# KiCad board klofi.kicad_pcb (continued)
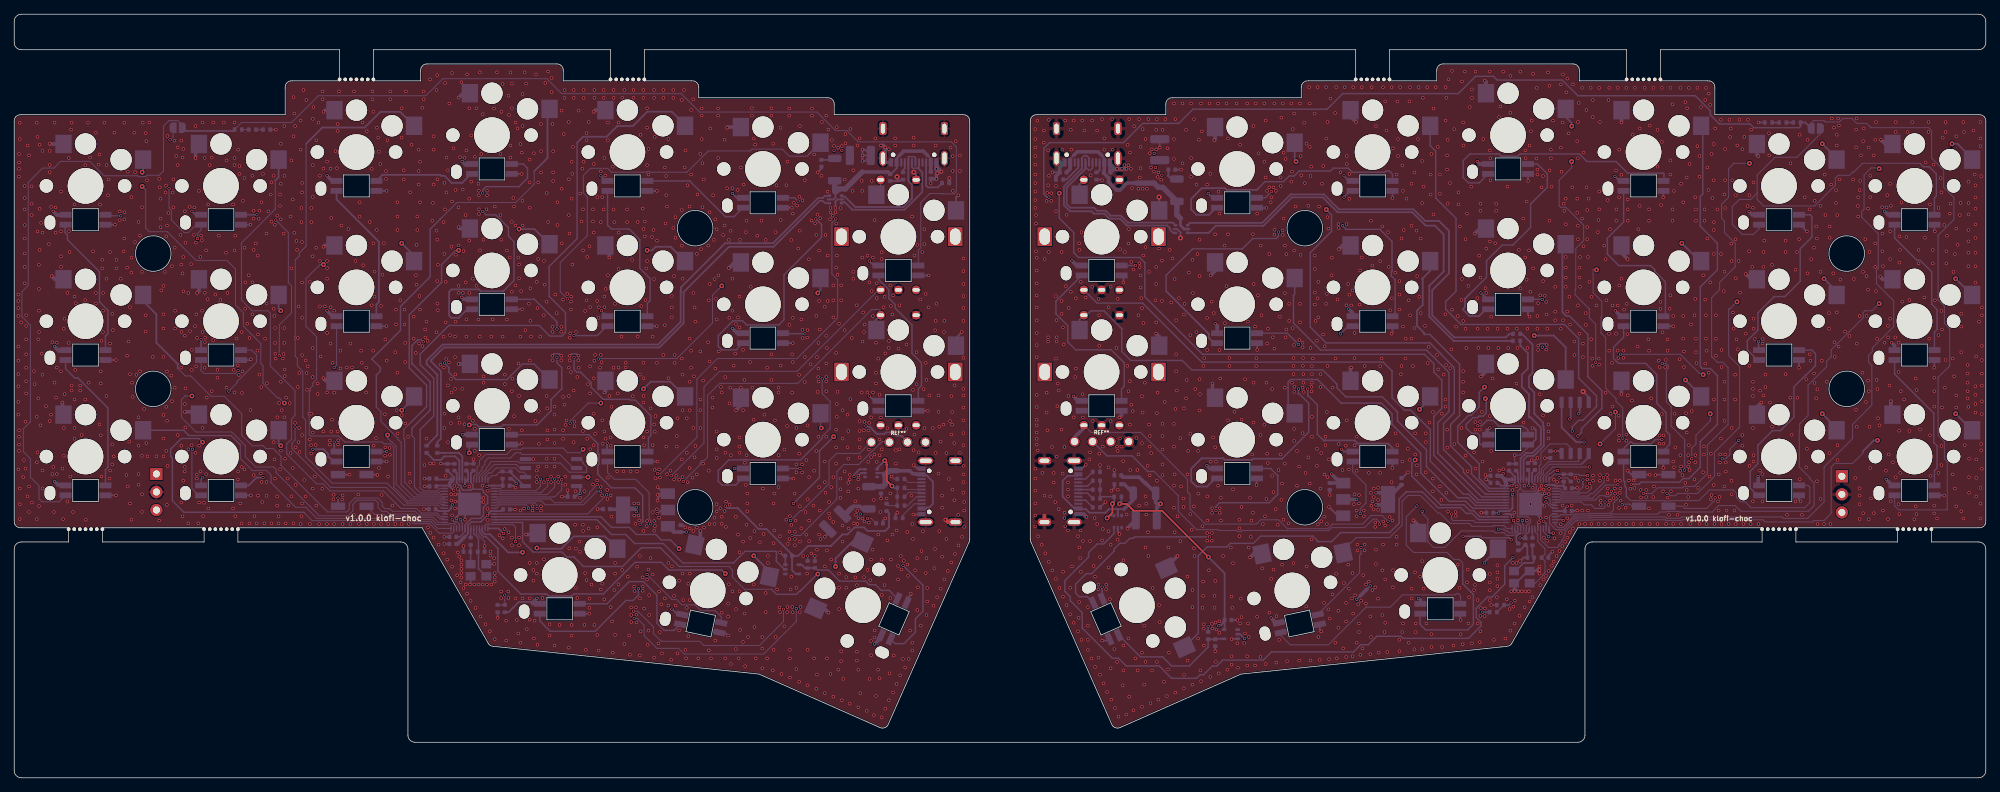
[diagram p0: board, top side]
## Routing (per net, layer and track width the routed paths; a pad name or vN(x,y) marks a point on that pad's centre or on a via; arc(x,y) is an arc through that point) (continued)
  In1.Cu w0.254: v1(242.49,47.5) 245.99,47.5 246.99,48.5 248.74,48.5 251.49,51.25 v2(254.24,51.25)
  Back w0.152: v1(242.49,47.5) 241.24,46.25 241.24,45.48 240.68,44.92 v1(240.18,44.92) ; rU5.29 205.45,35.94 205.18,36.22 202.28,36.22 202.11,36.39 202.11,37.1 v1(202.13,37.12) ; v2(237.49,56.75) 237.32,56.92 236.98,56.92 234.28,59.62 v1(225.88,59.62) ; v1(235.88,44.92) 235.88,46.42 236.48,47.02 236.48,48.24 238.49,50.25 v2(238.49,51.25)
  Back w0.254: v2(254.24,51.25) 256.25,49.24 rSW14.1
/right/KEY17: length 75.1
  In1.Cu w0.152: v1(215.76,33.94) 215.8,33.9 215.8,33.79 216.38,33.22 217.08,33.22 218.08,34.22 218.08,34.62 218.68,35.22 218.68,35.42 219.58,36.32 231.38,36.32 231.98,36.92 231.98,39.64 v1(232.4,40.06)
  In1.Cu w0.254: v2(254.49,70.25) 251.99,70.25 249.49,67.75 242.99,67.75 v2(242.24,67)
  Back w0.152: rU5.17 215.02,34.66 215.67,34.02 215.68,34.02 v1(215.76,33.94) ; v2(242.24,67) 241.24,66 241.07,66 241.07,59.42 242.61,57.87 242.61,49.37 239.07,45.83 239.07,42.42 236.68,40.02 233.88,40.02 233.58,39.72 232.88,39.72 232.54,40.06 v1(232.4,40.06)
  Back w0.254: rSW8.1 256.25,68.49 v2(254.49,70.25)
/right/KEY18: length 90.5
  In1.Cu w0.152: v2(243.99,86.5) 248.99,86.5 251.74,89.25 v2(254.24,89.25) ; v1(229.08,40.02) 227.18,40.02 226.69,39.53 v1(225.51,39.53)
  Back w0.152: v1(225.51,39.53) 225.39,39.41 225.39,39.18 224.88,38.67 224.88,37.72 224.38,37.22 221.55,37.22 221.47,37.14 219.5,37.14 219.38,37.02 217.43,37.02 217.24,36.84 216.75,36.84 rU5.12 ; v2(243.99,86.5) 241.82,86.5 241.07,85.75 241.07,81.72 240.08,80.73 240.08,78.75 240.49,78.34 240.49,76.75 241.99,75.25 241.99,71.94 239.8,69.75 239.8,68.73 238.68,67.6 238.68,59.25 238.74,59.25 239.49,58.5 240.24,58.5 240.99,57.75 240.99,49.75 238.08,46.84 238.08,42.82 236.28,41.02 234.78,41.02 234.58,40.82 231.08,40.82 230.28,40.02 v1(229.08,40.02)
  Back w0.254: v2(254.24,89.25) 256.25,87.24 rSW2.1
/right/KEY19: length 113.7
  In1.Cu w0.152: v2(272.49,89.25) 270.99,89.25 268.79,87.05 265.04,87.05 264.74,86.75 263.24,86.75 v2(262.24,85.75)
  Back w0.152: v2(262.24,85.75) 262.12,85.86 261.1,85.86 260.12,84.88 260.12,80.05 259.78,79.71 259.78,78.91 262.1,76.58 262.1,71.74 261.85,71.49 261.85,69.56 264.28,67.14 264.28,63.52 261.28,60.52 261.28,60.02 260.75,59.49 260.75,58.49 261.2,58.03 261.2,52.47 258.49,49.75 258.49,47.75 254.49,43.75 254.49,38.83 252.18,36.52 248.78,36.52 248.58,36.72 234.48,36.72 234.27,36.52 232.38,36.52 232.18,36.72 224.67,36.72 224.61,36.66 221.78,36.66 221.7,36.58 219.73,36.58 219.61,36.46 219.31,36.46 219.13,36.28 219.13,36.2 218.76,35.83 218.76,35.8 217.89,34.94 217.79,34.94 217.78,34.92 217.66,34.92 217.66,34.92 217.26,34.92 216.8,34.92 215.88,35.85 215.88,36.76 216.26,37.14 rU5.11
  Back w0.254: rSW1.1 275.3,87.19 273.24,89.25 v2(272.49,89.25)
/right/KEY20: length 89.1
  In1.Cu w0.152: v2(262.24,66.75) 263.49,68 267.49,68 267.74,68.25 269.24,68.25 270.74,69.75 270.74,70 270.99,70.25 v2(272.99,70.25)
  Back w0.152: v2(262.24,66.75) 261.24,65.75 260.24,65.75 259.99,65.5 259.99,64.75 255.49,60.25 255.49,59.25 255.46,59.25 254.85,58.64 254.85,57.89 252.24,55.28 252.24,51 251.06,49.82 251.06,48.82 250.99,48.76 250.99,43.74 252.46,42.28 252.46,42.11 253.08,41.49 253.08,38.32 252.28,37.52 242.78,37.52 241.98,38.32 239.68,38.32 238.78,37.42 234.18,37.42 234.1,37.5 232.35,37.5 232.28,37.42 231.38,37.42 231.08,37.12 224.67,37.12 224.49,36.94 221.67,36.94 221.59,36.86 219.61,36.86 219.49,36.74 219.19,36.74 218.85,36.4 218.85,36.32 218.48,35.94 218.48,35.92 217.78,35.22 217.08,35.22 216.66,35.64 rU5.14
  Back w0.254: rSW7.1 275.26,67.97 v2(272.99,70.25)
/right/KEY21: length 76.5
  In1.Cu w0.254: v2(261.99,47.5) 262.99,47.5 263.74,48.25 268.24,48.25 271.24,51.25 v2(272.99,51.25)
  Back w0.152: 259.98,46 259.98,45.74 258.49,44.25 255.99,44.25 255.49,43.75 255.49,37.22 254.49,36.22 253.08,36.22 252.88,36.02 246.18,36.02 245.88,36.32 234.58,36.32 234.48,36.22 234.18,36.22 234.17,36.22 233.48,36.22 233.47,36.22 233.08,36.22 233.07,36.22 232.48,36.22 232.47,36.22 232.27,36.22 232.18,36.32 221.98,36.32 221.93,36.28 219.82,36.28 219.72,36.18 219.53,36.18 218.08,34.72 218.08,34.22 217.88,34.02 217.88,33.69 217.6,33.42 217.6,33.22 217.2,32.82 217.2,32.64 216.98,32.42 215.73,32.42 214.62,33.53 rU5.18
  Back w0.254: v2(272.99,51.25) 275.3,48.94 rSW13.1 ; 259.98,46 261.48,47.5 v2(261.99,47.5)
/right/KEYEX1: length 102.6
  In1.Cu w0.254: rEXSW1.S2 148.83,84.18 v2(146.94,82.29)
  Back w0.203: 149.53,81.47 149.36,81.64 ; rU5.37 205.85,39.14 199.61,45.38 199.61,50.88 200.74,52 200.74,56 199.61,57.12 199.61,58.28 198.28,59.62 167.08,59.62 158.98,67.72 158.98,72.52 158.24,73.25 149.66,73.25 148.99,73.92 148.99,76.75 146.94,78.8 146.94,82.2 146.99,82.25 146.95,82.29 v2(146.94,82.29)
  Back w0.254: rEXSW1.S2 149.8,83.58 rEXSW1.S2
/right/KEYEX2: length 77.8
  Back w0.203: 150.4,64.73 151.39,65.72 153.24,65.72 155.71,63.25 155.74,63.25 155.74,60 156.99,58.75 164.24,58.75 165.57,57.42 183.99,57.42 185.99,55.42 185.99,54.89 187.25,53.62 192.36,53.62 194.49,51.5 194.49,50.25 198.58,46.16 198.58,43.82 202.98,39.42 204.4,39.42 205.48,38.34 rU5.35
  Back w0.254: rEXSW2.S2 149.8,64.53 rEXSW2.S2
/right/LED: length 63.2
  In1.Cu w0.203: v1(217.82,36.22) 216.57,36.22 215.64,37.16 214.31,37.16 213.68,36.52 213.68,35.72 213.28,35.32 210.08,35.32 208.18,33.42 208.18,31.32 207.99,31.13 207.99,25.25 208.38,24.86 208.38,23.37 206.13,21.12 188.88,21.12 186.18,18.42 184.48,18.42 184.28,18.22 182.28,18.22 181.98,17.92 180.48,17.92 180.38,17.82 174.88,17.82 173.09,19.6 v1(173.01,19.6)
  Back w0.152: v1(217.82,36.22) 217.67,36.22 217.55,36.34 rU5.13
  Back w0.254: v1(173.01,19.6) 172.39,20.22 rU6.2
/right/QSPI_SCLK: length 8.6
  Back w0.152: rU5.52 214.22,42.42 214.73,42.93 214.73,43.5 215.74,44.5 219.99,44.5 219.99,45.51 rU3.6
/right/QSPI_SD0: length 9.1
  Back w0.152: 220.49,44.25 220.38,44.14 215.9,44.14 215.01,43.26 215.01,42.81 214.62,42.42 rU5.53
  Back w0.254: 220.49,44.25 221.39,45.15 rU3.5
/right/QSPI_SD1: length 12.7
  In1.Cu w0.254: v1(216.99,43.25) 217.74,44 217.74,49.5 v1(218.74,50.5)
  Back w0.152: rU5.55 215.42,42.38 215.87,42.82 216.06,42.82 216.49,43.25 v1(216.99,43.25)
  Back w0.254: rU3.2 218.85,50.61 v1(218.74,50.5)
/right/QSPI_SD2: length 17.2
  In1.Cu w0.152: v1(221.49,43.75) 221.49,49.75 v1(219.99,51.25)
  Back w0.152: rU5.54 215.02,42.43 216.34,43.75 v1(221.49,43.75)
  Back w0.254: v1(219.99,51.25) 220.12,51.38 rU3.3
/right/QSPI_SD3: length 9.8
  Back w0.152: rU3.7 218.85,46.45 218.3,47 215.96,47 214.68,45.72 214.68,44.12 214.45,43.9 214.45,43.05 213.82,42.41 rU5.51
/right/QSPI_SS: length 18.3
  In1.Cu w0.152: v1(221.24,42.56) 220.68,43.13 220.68,47.19 v1(220.74,47.25)
  Back w0.152: rR3.1 216.57,42.73 rU5.56 ; v1(221.24,42.56) 220.15,42.56 219.99,42.73 rR4.1
  Back w0.203: rR4.1 rR3.1
  Back w0.254: rU3.1 217.58,49.33 219.66,47.25 v1(220.74,47.25)
/right/RE0A: length 76.6
  Back w0.203: rEXSW1.A 152.26,66.82 158.68,66.82 166.98,58.52 192.49,58.52 193.74,57.27 193.74,53.5 195.49,51.75 196.37,51.75 199.12,49 199.12,44.57 203.78,39.92 204.5,39.92 205.68,38.74 rU5.36
/right/RE1A: length 84.4
  In1.Cu w0.152: v1(193.18,36.12) 196.79,32.5 201.24,32.5 203.76,35.02 203.76,35.52 206.75,38.52 210.47,38.52 211.41,39.45 v1(215.39,39.45)
  Back w0.152: v1(193.18,36.12) 192.38,36.92 190.78,36.92 189.58,35.72 185.38,35.72 184.73,35.07 179.03,35.07 177.78,36.32 175.28,36.32 174.68,35.72 167.48,35.72 165.33,37.87 165.33,39.91 164.99,40.25 164.99,42.01 158.38,48.62 151.41,48.62 rEXSW2.A ; v1(215.39,39.45) 215.39,39.42 215.4,39.42 215.68,39.42 215.98,39.13 215.98,38.62 216.16,38.44 216.66,38.44 rU5.8
  Back w0.508: rEXSW2.A 150.4,49.24 149.09,47.93 rJ2.1
/right/REB: length 103.9
  In1.Cu w0.152: v1(191.98,35.72) 192.08,35.62 192.08,34.62 193.95,32.75 193.95,32.64 194.2,32.39 194.3,32.39 194.68,32.02 198.97,32.02 199.24,31.75 200.95,31.75 201.06,31.64 202.38,31.64 205.26,34.52 207.38,34.52 211.88,39.02 215.18,39.02 v1(215.37,38.83)
  In1.Cu w0.203: rEXSW1.B 156.99,67.09 156.99,63.23 155.87,62.11 155.87,58.63 156.08,58.42 156.08,50.3 rEXSW2.B 154.85,49.63 152.55,47.33 rJ2.2
  Back w0.152: rU5.9 216.45,37.94 216.36,38.04 216.16,38.04 216.02,38.18 216.02,38.19 215.78,38.42 215.78,38.42 v1(215.37,38.83) ; v1(191.98,35.72) 191.98,36.02 191.57,36.42 191.08,36.42 189.88,35.22 185.27,35.22 184.84,34.79 178.91,34.79 178.88,34.82 172.65,34.82 172.47,34.64 172.08,34.64 171.9,34.82 169.38,34.82 169.26,34.94 166.26,34.94 163.68,37.52 163.68,39.72 160.28,43.12
  Back w0.203: 160.28,43.12 159.37,43.12 157.18,45.32 153.65,45.32 rJ2.2
/right/rLED_LVL_UP: length 18.9
  Back w0.203: rR19.1 167.88,18.39 165.24,15.75 162.74,15.75 161.49,17 161.49,17.02 158.36,17.02 rLED21.4
  Back w0.254: rR19.1 167.89,19.5 rC25.1 168.95,19.57 rU6.4
/right/rVBUS_ESD: length 27.8
  Back w0.254: J5.B4 153.28,87.2 153.06,87.41 153.06,87.46 152.94,87.59 ; J5.A4 148.48,87.12 148.98,87.62
  Back w0.4: rU2.5 164.49,77.25 163.99,77.75 163.99,78.75
  Back w0.508: 152.94,87.59 152.4,88.12 149.48,88.12 148.98,87.62 ; 157.77,83.72 156.46,83.72 155.49,82.75 154.99,82.75 153.87,83.87 153.87,84.45 153.2,85.13 rC7.1 153.28,85.3 J5.B4 ; rC6.1 148.48,85.73 J5.A4
  Back w0.762: 157.77,83.72 160.28,83.72 160.88,83.12 161.51,83.12 rFB1.1 163.49,79.25 163.99,78.75
/right/SWCLK: length 63.4
  In1.Cu w0.152: v1(212.08,36.21) 212.08,36.52 213.02,37.46 217.33,37.46 217.68,37.12 219.38,37.12 219.48,37.02 230.58,37.02 230.98,37.42 230.98,40.52 231.38,40.92 234.08,40.92 234.48,40.52 234.48,37.32 234.78,37.02 242.88,37.02 243.38,37.52 251.78,37.52 253.02,36.28 ; 253.02,36.28 255.96,36.28 256.49,35.75 257.99,35.75 258.49,36.25 258.49,40.94 rJ1.1 ; 253.02,36.28 253.08,36.22
  Back w0.152: v1(212.08,36.21) 212.08,36.01 212.08,35.72 212.22,35.57 rU5.24
/right/SWD: length 56.5
  In1.Cu w0.152: rJ1.3 254.85,37.36 253.79,38.42 236.48,38.42 236.18,38.72 236.18,41.42 235.58,42.02 235.18,42.02 235.08,42.12 230.98,42.12 229.98,41.12 229.98,38.92 229.18,38.12 228.78,38.12 228.18,37.52 222.18,37.52 221.08,38.62 220.03,38.62 218.83,37.42 217.9,37.42 217.58,37.74 213.7,37.74 213.62,37.82 212.36,37.82 211.16,36.62 211.15,36.62 210.87,36.34 210.83,36.34 v1(210.83,36.21)
  Back w0.152: rU5.25 211.82,35.47 211.72,35.57 211.72,35.6 211.58,35.74 211.15,35.74 210.98,35.92 210.98,36.06 v1(210.83,36.21)
/right/TX: length 101.8
  Front w0.203: v1(216.42,34.44) 216.42,34.33 216.43,34.32
  In1.Cu w0.203: v1(216.42,34.44) 216.42,34.44 214.3,34.44 213.68,33.82 213.56,33.82 v1(210.74,31) 210.68,31.06
  Back w0.203: rU4.3 154.64,34.45 154.68,34.41 153.18,32.92 152.27,32.92 151.07,31.71 151.07,31.08 147.74,27.75 147.74,26.25 148.49,25.5 148.49,24.94 150.18,23.25 150.18,21.07 154.42,16.82 155.28,16.82 156.35,15.75 160.99,15.75 162.74,14 166.24,14 166.74,14.5 167.24,14.5 168.46,15.72 169.09,15.72 169.94,16.57 175.64,16.57 176.78,17.72 188.32,17.72 189.33,18.72 190.39,18.72 191.59,19.92 194.98,19.92 195.28,19.63 204.49,19.63 206.24,21.38 206.24,21.9 205.59,22.55 205.59,23.89 207.16,25.45 207.79,25.45 209.58,27.25 209.58,29.85 v1(210.74,31) ; v1(216.42,34.44) 216.37,34.4 216.01,34.4 215.82,34.59 rU5.15
/right/USB_VBUS_PIN: length 20
  In1.Cu w0.203: v1(210.48,24.62) 210.48,25.26 208.99,26.75 208.99,26.77 209,26.79 209,27.16 208.99,27.18 208.99,27.82 209,27.83 209,28.21 208.99,28.22 208.99,28.72 209,28.73 209,29.11 208.99,29.12 208.99,29.72 209,29.73 209,30.11 208.99,30.12 208.99,32.73 211.08,34.82 213.94,34.82 215.08,35.95 v1(215.08,36.12)
  Back w0.203: rU5.16 215.42,35.77 v1(215.08,36.12) ; v1(210.48,24.62) 210.18,24.32 rR2.1 rR1.2
Net-(C23-Pad1): length 2.7
  Back w0.203: Y1.3 R15.1
Net-(EXLED1-DIN): length 220.2
  Back w0.152: 21.99,92.52 22.99,92.52 23.64,91.87 JP1.2 ; 21.99,92.52 21.76,92.52 20.99,91.75 20.99,85.43 20.38,84.82 18.68,84.82 18.49,84.64 17.46,84.64 17.34,84.75 12.64,84.75 10.63,86.77 6.51,86.77 5.57,85.83 3.99,85.83 1.98,83.82 1.98,69.32 1.08,68.42 1.08,64.92 2.28,63.72 2.28,50.12 1.28,49.12 1.28,45.92 2.28,44.92 2.28,42.32 3.49,41.11 3.49,39.25 3.89,38.85 6.32,38.85 LED13.2 ; 21.99,92.52 21.79,92.52 22.28,92.52 ; R16.1 31.98,92.25 39.01,92.25 42.78,96.02 57.88,96.02 60.28,98.42 74.88,98.42 76.98,96.32 93.78,96.32 96.38,93.72 112.88,93.72 115.48,91.12 117.08,91.12 118.68,89.52 131.78,89.52 132.48,88.82 132.48,82.5 132.16,82.19 130.55,82.19 130.49,82.25 128.74,82.25 127.48,80.99 127.48,74.62 127.13,74.27 EXLED1.4
  Back w0.254: JP1.2 24.1,91.06 30.78,91.06 R16.1
Net-(EXLED1-DOUT): length 20.3
  Back w0.203: EXLED1.2 121.53,70.17 122.98,68.72 122.98,67.52 123.88,66.62 123.88,66.11 126.24,63.75 126.24,59.76 127.58,58.42 127.58,55.22 127.13,54.77 EXLED2.4
Net-(J3-CC1): length 1.5
  Back w0.254: J3.A5 125.23,85.78 124.99,85.54 R5.2
Net-(J3-CC2): length 5.9
  Back w0.254: J3.B5 128.23,83.37 128.48,83.12 129.87,83.12 R6.2
Net-(J4-CC1): length 2.6
  Back w0.127: J4.A5 125.69,41.57 R7.2
Net-(J4-CC2): length 3.7
  Back w0.152: J4.B5 126.58,38.57 126.12,38.1 126.1,38.1 124.94,36.94 R9.2
Net-(J4-D+-PadA6): length 2.2
  Back w0.127: R11.2 125.44,40.57 127.31,40.57
Net-(J4-D+-PadB6): length 2.9
  Back w0.152: R12.2 125.61,38.32 126.86,39.57 J4.B6
Net-(J4-D--PadA7): length 2.7
  Back w0.127: J4.A7 127.47,40.18 125.8,40.18 R10.1
Net-(J5-CC1): length 3.6
  Back w0.254: rR5.2 147.96,84.22 149.63,85.89 J5.A5
Net-(J5-CC2): length 1.7
  Back w0.254: rR6.2 152.3,85.23 152.63,85.56 J5.B5
Net-(J6-CC1): length 2.5
  Back w0.203: rR7.2 150.67,39.07 J6.A5
Net-(J6-CC2): length 2.5
  Back w0.203: J6.B5 150.67,42.07 rR8.2
Net-(J6-D+-PadA6): length 2.4
  Back w0.203: J6.A6 150.92,40.07 rR11.2
Net-(J6-D+-PadB6): length 2.4
  Back w0.203: rR12.2 150.92,41.07 J6.B6
Net-(J6-D--PadA7): length 2.1
  Back w0.203: rR10.1 J6.A7
Net-(JP1-A): length 35.3
  In1.Cu w0.152: v1(21.78,82.92) 21.78,88.58 21.91,88.72 v1(21.91,89.82) ; v1(25.78,75.92) 25.7,75.84 23.08,75.84 22.05,76.87 18.22,76.87 15.98,79.12 v1(14.98,79.12)
  Back w0.152: JP1.1 22.34,90.24 v1(21.91,89.82) ; LED1.4 12.97,79.12 v1(14.98,79.12) ; v1(25.78,75.92) 25.78,76.62 26.28,77.12 LED2.2 25.6,77.86 24.49,76.75 23.87,76.75 22.1,78.52 22.1,79.87 21.78,80.19 v1(21.78,82.92)
Net-(LED1-DOUT): length 20.3
  Back w0.203: LED7.4 12.83,62.17 13.18,62.52 13.18,65.82 11.99,67.01 11.99,71.25 7.49,75.75 7.49,76.41 7.14,76.75 7.14,77.78 LED1.2
Net-(LED2-DIN): length 40
  In1.Cu w0.152: v1(31.48,57.32) 32.38,58.22 36.68,58.22 37.28,58.82 v1(37.28,59.42)
  In1.Cu w0.203: v1(36.78,78.52) 36.03,79.26 v1(34.12,79.26)
  Back w0.152: v1(31.48,57.32) 31.08,56.92 26.68,56.92 26.28,57.32 LED8.2 ; v1(37.28,59.42) 37.28,63.75 38.99,65.46 38.99,69.27 38.55,69.71 38.55,76.75 37.15,78.15
  Back w0.203: v1(36.78,78.52) 37.15,78.15 ; v1(34.12,79.26) LED2.4
Net-(LED3-DIN): length 14.8
  Back w0.254: LED3.4 51.78,84.88 59.86,84.88 59.99,84.75 60.49,84.75 61.49,83.75 62.99,83.75 64.24,85 LED4.2
Net-(LED3-DOUT): length 20.3
  Back w0.254: LED3.2 45.33,81.41 51.28,75.46 51.28,66.97 50.93,66.62 LED9.4
Net-(LED5-DIN): length 16
  Back w0.203: LED6.2 101.23,79 99.99,79 99.99,79 94.97,84.02 LED5.4
Net-(LED10-DIN): length 39
  In1.Cu w0.203: v1(76.31,59.18) v1(76.31,63.18) ; v2(63.99,49.68) v2(63.99,45.75)
  Back w0.203: LED10.4 73.14,67.35 76.31,64.18 v1(76.31,63.18) ; v1(76.31,59.18) 76.31,58.42 76.99,57.75 76.99,54.75 75.49,53.25 75.49,51.65 73.51,49.68 68.76,49.68 68.49,49.4 65.34,49.4 64.99,49.75 64.06,49.75 v2(63.99,49.68) 63.99,49.75 ; LED16.2 63.99,46.52 v2(63.99,45.75)
Net-(LED10-DOUT): length 43.4
  In1.Cu w0.203: v1(65.88,79.72) v1(65.88,82.32)
  Back w0.203: LED4.4 71.59,86.4 72.18,85.82 72.18,84.42 70.98,83.22 66.34,83.22 65.88,82.75 v1(65.88,82.32) ; 68.9,68.65 70.28,70.02 70.28,75.46 69.49,76.25 69.49,77.46 67.7,79.25 66.34,79.25 v1(65.88,79.72)
  Back w0.254: 68.9,68.65 68.73,68.48 65.64,68.48 65.36,68.75 61.49,68.75 61.15,68.41 61.15,65.09 61.49,64.75 62.49,64.75 63.69,65.95 LED10.2
Net-(LED11-DIN): length 21.8
  Back w0.203: LED11.4 89.03,66.79 89.41,67.18 89.41,70.28 87.96,71.73 87.96,75.73 87.99,75.75 86.49,77.25 83.99,77.25 83.49,77.75 83.43,77.75 LED5.2
Net-(LED11-DOUT): length 29.2
  In1.Cu w0.203: v1(78.71,62.25) v1(78.71,59.18)
  Back w0.203: LED17.4 89.18,46.07 89.18,47.84 89.51,48.18 89.51,50.98 87.31,53.18 86.61,53.18 86.51,53.28 82.82,53.28 81.13,54.97 81.13,55.61 79.62,57.12 79.07,57.12 78.71,57.48 v1(78.71,59.18) ; v1(78.71,62.25) 81.99,62.25 83.31,63.57 LED11.2
Net-(LED12-DIN): length 43
  In1.Cu w0.152: v1(113.61,56.16) 113.61,61.78 112.88,62.52 v1(111.18,62.52)
  Back w0.152: v1(113.61,56.16) 113.61,54.07 114.73,52.96 114.73,49.18 113.61,48.06 113.61,47.78
  Back w0.203: LED12.4 108.15,62.52 v1(111.18,62.52) ; LED18.2 102.38,42.14 101.44,41.21 99.53,41.21 98.99,41.75 98.99,43.25 100.48,44.75 102.49,44.75 102.55,44.81 102.93,44.81 102.99,44.75 110.58,44.75 113.61,47.78
Net-(LED12-DOUT): length 38.8
  In1.Cu w0.203: v1(112.71,78.68) v1(110.21,81.18)
  Back w0.203: v1(110.21,81.18) 109.75,81.64 LED6.4 ; LED12.2 101.53,60.25 99.49,60.25 98.99,60.75 98.99,62.25 101.07,64.33 102.41,64.33 102.99,63.75 107.51,63.75 108.24,64.48 108.24,70.8 113.51,76.08 113.51,77.88 v1(112.71,78.68)
Net-(LED13-DIN): length 20.5
  Back w0.203: LED13.4 12.83,43.37 13.18,43.72 13.18,52.06 8.96,56.28 8.52,56.28 7.23,57.57 LED7.2
Net-(LED14-DIN): length 17
  In1.Cu w0.254: v1(34.99,42.25) 35.47,42.25 35.93,42.72 39.08,42.72 40.88,44.52 40.88,45.47 41.66,46.25 v1(41.99,46.25)
  Back w0.254: LED15.2 44.87,44.52 44.15,45.25 44.15,45.59 43.49,46.25 v1(41.99,46.25) ; v1(34.99,42.25) 34.06,42.25 32.97,41.16 LED14.4
Net-(LED14-DOUT): length 29.1
  In1.Cu w0.152: v1(25.06,46.25) 25.56,46.75 25.56,47.83 26.49,48.75 27.49,48.75 27.88,49.14 29.88,49.14 30.99,50.25 30.99,53.64 v1(30.18,54.45)
  Back w0.152: LED14.2 25.98,39.76 24.99,40.75 24.99,46.17 v1(25.06,46.25) ; LED8.4 33.38,60.21 34.08,59.52 34.08,58.52 31.31,55.75 31.31,55.57 v1(30.18,54.45)
Net-(LED15-DIN): length 23.9
  In1.Cu w0.152: v1(44.99,57.75) 44.99,55.25 46.49,53.75 48.99,53.75 51.38,51.36 51.38,46.64 52.1,45.92 v1(52.38,45.92)
  Back w0.152: v1(44.99,57.75) 45.33,58.09 LED9.2 ; v1(52.38,45.92) 52.37,45.92 LED15.4
Net-(LED16-DIN): length 57.7
  In1.Cu w0.203: v1(88,35.69) 88,34.76 87.33,34.09 86.68,34.09 86.68,28.72 87.78,27.62 v1(87.78,26.62)
  Back w0.203: v1(87.78,26.62) 87.78,25.72 87.03,24.97 86.03,24.97 81.68,20.62 75.38,20.62 73.9,22.09 LED19.2 ; LED16.4 80.79,48.3 82.08,47.02 82.08,45.65 82.22,45.5 82.22,44.17 82.08,44.03 82.08,42.72 83.98,40.82 87.28,40.82 88.38,39.72 88.38,36.06 v1(88,35.69)
Net-(LED17-DOUT): length 34.4
  In1.Cu w0.152: v1(89.49,35.75) 89.36,35.62 89.38,35.61 89.38,35.25 89.28,35.14 89.28,34.06 88.68,33.46 88.68,28.92 v1(88.98,28.62)
  Back w0.152: v1(88.98,28.62) 92.48,25.12 93.12,25.12 93.89,24.35 95.76,24.35 96.59,23.52 98.57,23.52 99.41,22.68 LED20.4 ; LED17.2 83.43,42.97 84.38,42.02 87.38,42.02 89.28,40.12 89.28,36.47 89.49,36.26 v1(89.49,35.75)
Net-(LED18-DIN): length 40.3
  In1.Cu w0.152: v1(110.48,43.54) 111.35,43.54 114.93,39.97 114.93,39.37 115.78,38.52 115.78,35.22 119.48,31.52 123.38,31.52 v1(124.98,29.92)
  Back w0.203: v1(110.48,43.54) LED18.4 ; v1(124.98,29.92) 127.78,27.12 127.78,23.44 126.71,22.38 126.71,20.48 125.11,18.88 123.86,18.88 LED21.2
Net-(LED19-DIN): length 21
  Back w0.203: LED19.4 83.35,24.49 86.48,27.62 88.48,27.62 90.38,25.72 90.38,21.76 91.38,20.75 92.78,20.75 LED20.2
Net-(R4-Pad2): length 31.8
  In1.Cu w0.203: v1(45.53,39.37) 45.53,39.81 45.97,40.25 46.54,40.25 47.78,39.02 54.48,39.02 56.48,41.02 56.48,42.02 57.88,43.42 68.68,43.42 70.58,41.52 v1(70.58,41.43)
  Back w0.254: v1(70.58,41.43) 70.58,41.52 69.99,42.11 R4.2 ; v1(45.53,39.37) SMDSW1.2
Net-(R16-Pad2): length 1
  Back w0.152: R17.1 32.97,91.26 R16.2
Net-(R17-Pad2): length 1
  Back w0.203: R17.2 R18.1
Net-(rC23-Pad1): length 6.2
  Back w0.254: 211.28,28.67 210.81,28.67 ; rY1.3 211.09,29.1 212.24,30.25 213.49,30.25 213.72,30.48 rC23.1 213.49,31.23 rR15.1
Net-(rEXLED1-DIN): length 229.9
  In1.Cu w0.203: v1(145.49,81.75) 145.52,81.72 150.68,81.72 153.08,79.32 154.28,79.32 156.08,77.52 156.08,74.92 157.68,73.32 v1(157.68,72.12)
  Back w0.152: rLED13.2 264.4,38.29 264.98,37.72 271.74,37.72 271.8,37.79 271.8,44.53 271.4,44.93 271.4,47.35 270.52,48.23 270.52,56.36 272.15,57.98 272.15,63.23 271.4,63.98 271.4,66.4 270.52,67.28 270.52,76.36 272.74,78.57 272.74,81.69 271.3,83.13 271.3,85.55 269.6,87.25 269.6,91.1 269.18,91.52 261.08,91.52 260.48,92.12 259.1,92.12 258.4,92.82 257.15,92.82 256.66,92.33 254.66,92.33 254.49,92.5 252.99,92.5 252.68,92.19 rJP1.2
  Back w0.203: rEXLED1.4 157.48,72.12 157.48,72.12 v1(157.68,72.12) ; v1(145.49,81.75) 145.19,81.75 144.78,82.17 144.78,88.62 145.58,89.42 155.98,89.42 158.68,92.12 163.74,92.12 165.74,94.12 184.61,94.12 186.81,96.32 203.06,96.32 205.49,98.75 207.99,98.75 208.52,98.22 217.68,98.22 219.88,96.02 236.38,96.02 238.49,93.91 238.49,93.32 239.77,92.03 244.1,92.03 244.61,91.52 250.97,91.52 251.18,91.72
  Back w0.254: 252.38,91.72 rJP1.2 251.84,92.25 rR16.1 251.18,91.72
Net-(rEXLED1-DOUT): length 26.2
  Back w0.203: rEXLED1.2 146.48,67.09 146.48,65.32 148.14,63.65 148.14,61.35 149.24,60.25 154.24,60.25 156.08,58.42 156.08,55.12 155.7,54.74 rEXLED2.4
Net-(rJP1-A): length 62.7
  Back w0.152: rJP1.1 253.98,90.66 250.66,87.35 247.59,87.35 245.08,84.84 245.08,82.32 ; 267.99,86.5 259.89,86.5 258.64,85.25 258.49,85.25 258.06,84.82 256.48,84.82 256.08,84.42 256.08,83.42 253.16,80.5 245.99,80.5 245.08,81.41 245.08,82.32 ; 245.08,82.32 244.18,81.42 242.58,81.42 241.58,80.42 241.58,77.91 242.99,76.5 244.56,76.5 245.35,77.29 rLED2.2
  Back w0.203: rLED1.4 270,81.64 270.28,81.92 270.28,85.02 269.28,86.02 268.48,86.02 267.99,86.5
Net-(rLED1-DOUT): length 20.5
  Back w0.203: rLED7.4 270,62.74 270.38,63.12 270.38,65.92 269.62,66.67 269.62,71.22 267.96,72.87 267.53,72.87 264.4,76 rLED1.2
Net-(rLED2-DIN): length 27.6
  Back w0.203: rLED2.4 252.53,79.26 252.78,79.02 252.78,76.12 251.13,74.47 251.13,69.89 248.99,67.75 247.49,67.75 245.18,65.44 245.18,63.02 243.7,61.54 243.7,60.24 245.12,58.81 rLED8.2
Net-(rLED3-DIN): length 37.8
  Back w0.203: 231.98,85 231.85,85.12 226.87,85.12 225.24,86.75 221.14,86.75 220.08,87.82 211.99,87.82 211.98,87.82 211.74,87.82 211.42,87.5 209.1,87.5 208.78,87.82 208.37,87.82 208.36,87.82 204.68,87.82 203.74,86.88 203.74,84.5 204.49,83.75 206,83.75 rLED4.2 ; 231.98,85 231.98,84.1 rLED3.4 ; 231.98,85 231.98,85.02
Net-(rLED3-DOUT): length 24.8
  Back w0.203: rLED3.2 226.3,78.25 223.99,75.94 223.99,75.5 224.03,75.46 224.03,73.79 223.99,73.75 225.63,72.1 230.09,72.1 230.68,71.52 230.68,71.31 232.18,69.81 232.18,65.25 rLED9.4
Net-(rLED5-DIN): length 37.6
  Back w0.203: 174.98,83.02 175.88,83.92 178.48,83.92 179.28,84.72 179.98,84.72 180.68,85.42 185.08,85.42 185.48,85.82 187.58,85.82 188.14,85.25 192.74,85.25 192.91,85.42 193.38,85.42 193.8,84.99 rLED5.4
  Back w0.254: rLED6.2 168.98,80.24 167.99,79.25 166.24,79.25 165.49,80 165.49,81.5 166.99,83 170.25,83 170.49,82.77 174.72,82.77 174.98,83.02
Net-(rLED10-DIN): length 31.5
  In1.Cu w0.203: v2(206.86,53.37) 206.74,53.25 206.99,53.5 206.99,53.75 207.21,53.75 209.21,55.75 210.74,55.75 214.88,59.89 v1(214.88,60.62) v1(214.88,67.32)
  Back w0.203: v1(214.88,67.32) 214.84,67.35 rLED10.4 ; v2(206.86,53.37) 206.98,53.26 206.98,51.32 206.58,50.92 205.98,50.92 205.75,50.69 205.1,50.69 204.18,49.77 204.18,49.25 204.93,48.5 205.74,48.5 206.05,48.19 206.05,47.05 206.2,46.9 rLED16.2
Net-(rLED10-DOUT): length 32.5
  Back w0.203: 204.58,68.02 207.02,70.47 207.02,72.78 209.24,75 210.74,75 213.22,77.48 213.22,80.77 215.58,83.12 215.58,85.02 214.19,86.4 rLED4.4
  Back w0.254: rLED10.2 206.94,65.95 205.98,64.99 204.63,64.99 203.74,65.88 203.74,66 203.99,66.25 203.99,67.43 204.58,68.02
Net-(rLED11-DIN): length 24.9
  In1.Cu w0.203: v1(186.78,77.72) 186.78,78.52 186.28,79.02 186.28,81.04 v1(186.99,81.75)
  Back w0.203: v1(186.78,77.72) 187.29,77.2 192.03,77.2 193.74,75.5 193.74,71.32 193.64,71.23 193.64,70.65 194.18,70.12 194.18,65.35 rLED11.4 ; rLED5.2 187.86,82.62 v1(186.99,81.75)
Net-(rLED11-DOUT): length 31.6
  In1.Cu w0.203: v1(186.49,62.5) 185.16,62.5 181.88,59.22 v1(181.88,54.72)
  Back w0.203: rLED11.2 187.56,63.57 v1(186.49,62.5) ; 184.17,47.43 183.24,48.36 183.24,52.5 181.99,53.75 181.88,53.75 v1(181.88,54.72)
  Back w0.254: rLED17.4 193.8,46.44 193.19,47.05 188.94,47.05 188.49,47.5 184.24,47.5 184.17,47.43
Net-(rLED12-DIN): length 44.6
  In1.Cu w0.203: v1(180.58,54.72) v1(180.58,61.02)
  Back w0.203: 178.28,44.92 182.02,48.66 182.02,52.72 180.74,54 180.58,54 v1(180.58,54.72) ; rLED12.4 179,62.59 v1(180.58,61.02)
  Back w0.254: rLED18.2 168.88,42.14 167.74,41 166.24,41 165.49,41.75 165.49,43.5 166.97,44.98 170.01,44.98 170.24,44.75 173.99,44.75 174.16,44.92 178.28,44.92
Net-(rLED12-DOUT): length 40
  In1.Cu w0.203: v1(177.78,76.82) 177.78,81.52 v1(176.78,82.52)
  Back w0.203: v1(176.78,82.52) 175.9,81.64 rLED6.4 ; 161.98,68.5 161.98,70.75 165.69,74.46 172.7,74.46 174.16,75.92 177.48,75.92 177.78,76.22 v1(177.78,76.82)
  Back w0.254: rLED12.2 168.71,61.19 167.97,61.93 167.97,62.5 161.98,68.5
